# Altium PCB iiot_with_chip.PcbDoc
Units mil, origin at the board's own origin, x right, y up, seen from the top; angles counter-clockwise.
Board outline 4470 x 2640 mil, 2 copper layers (Top Layer, Bottom Layer); 95 components, 91 nets, 343 pads, 19 vias.
Unrouted connection lines stored in the file: 2.
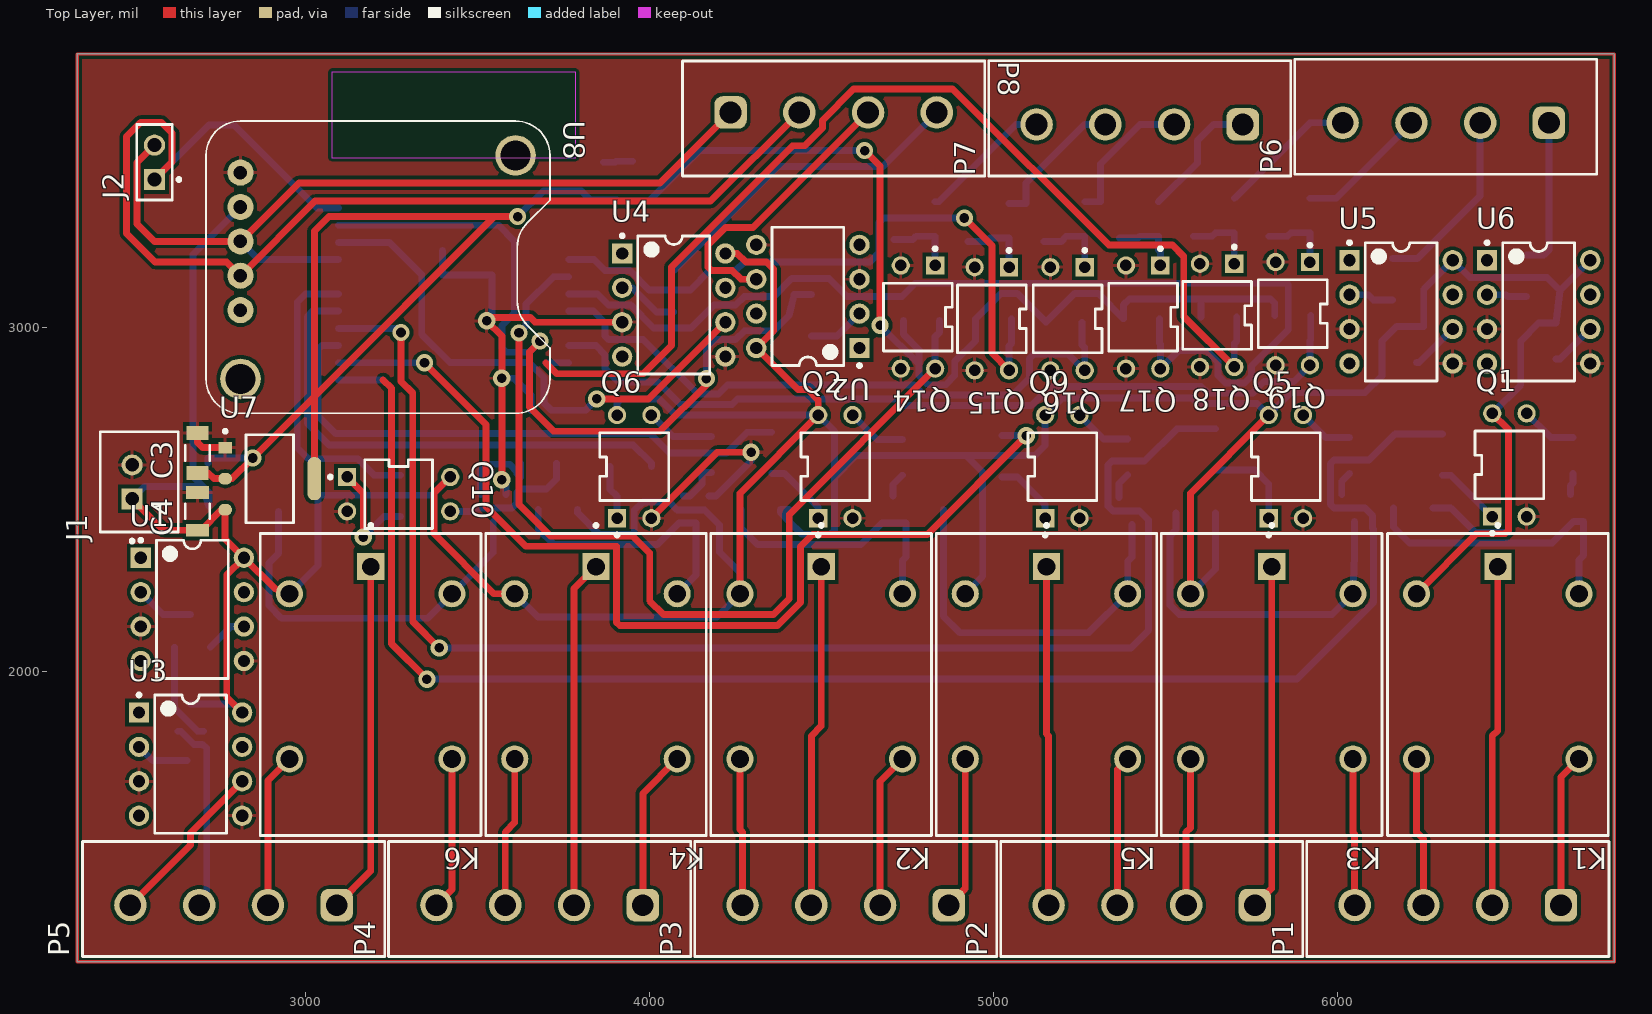
[diagram p0: Top Layer view]
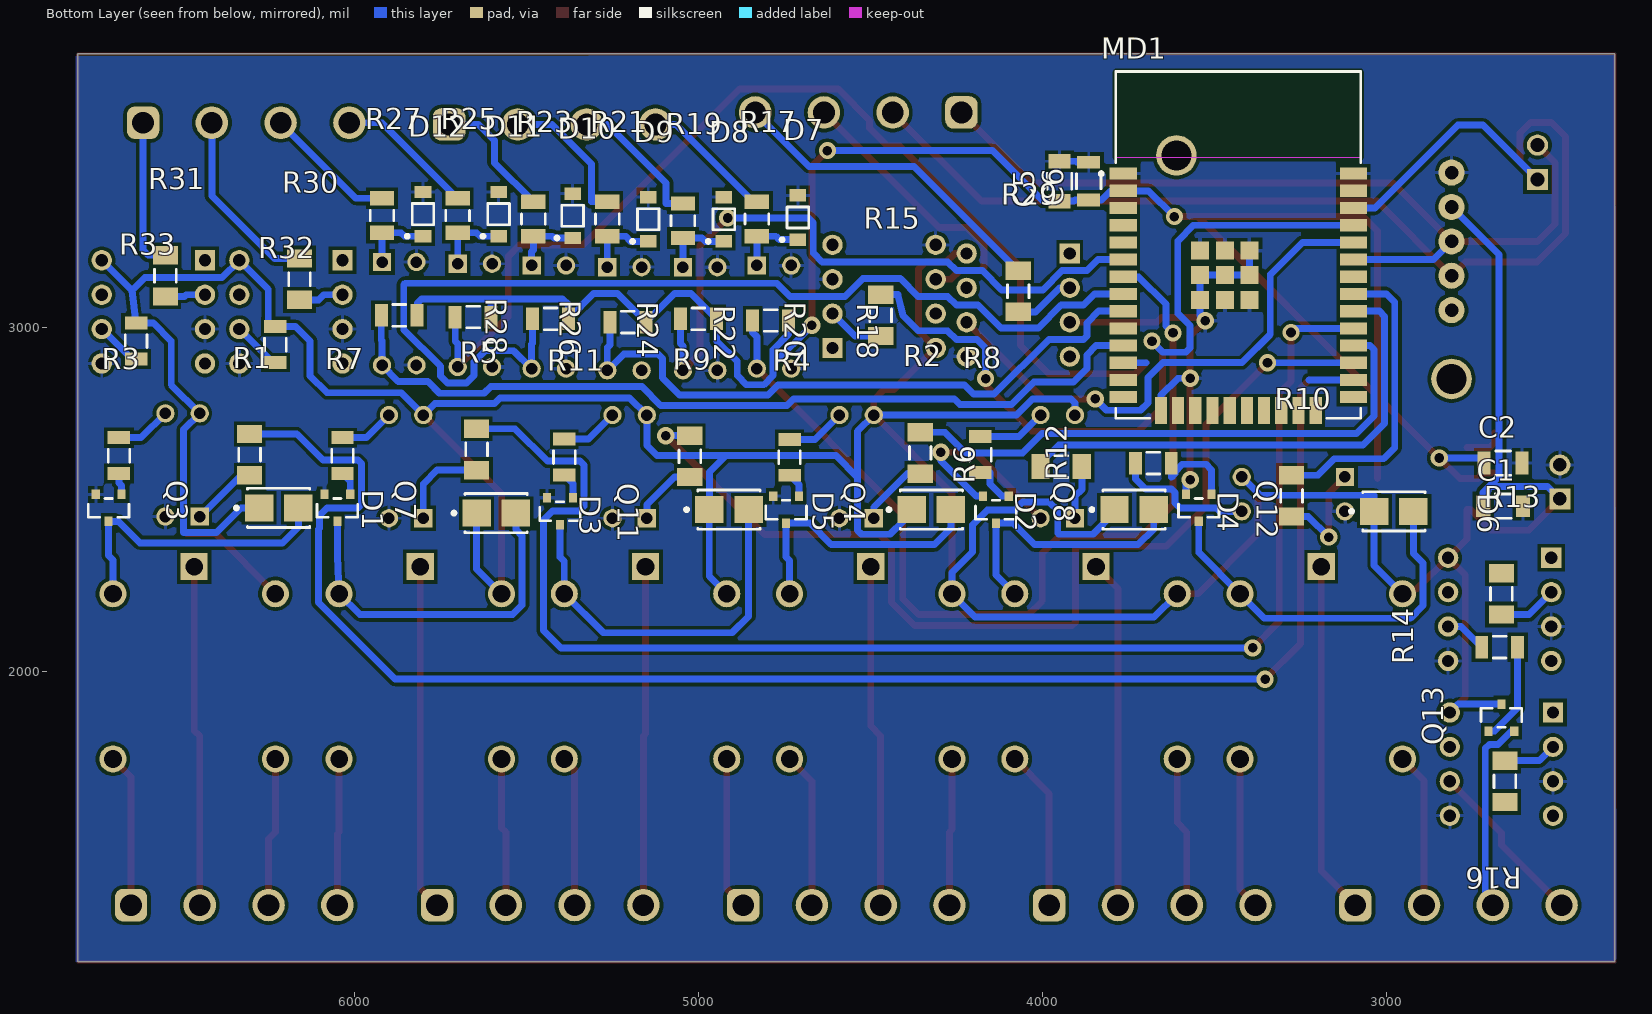
[diagram p1: Bottom Layer view, seen from below]
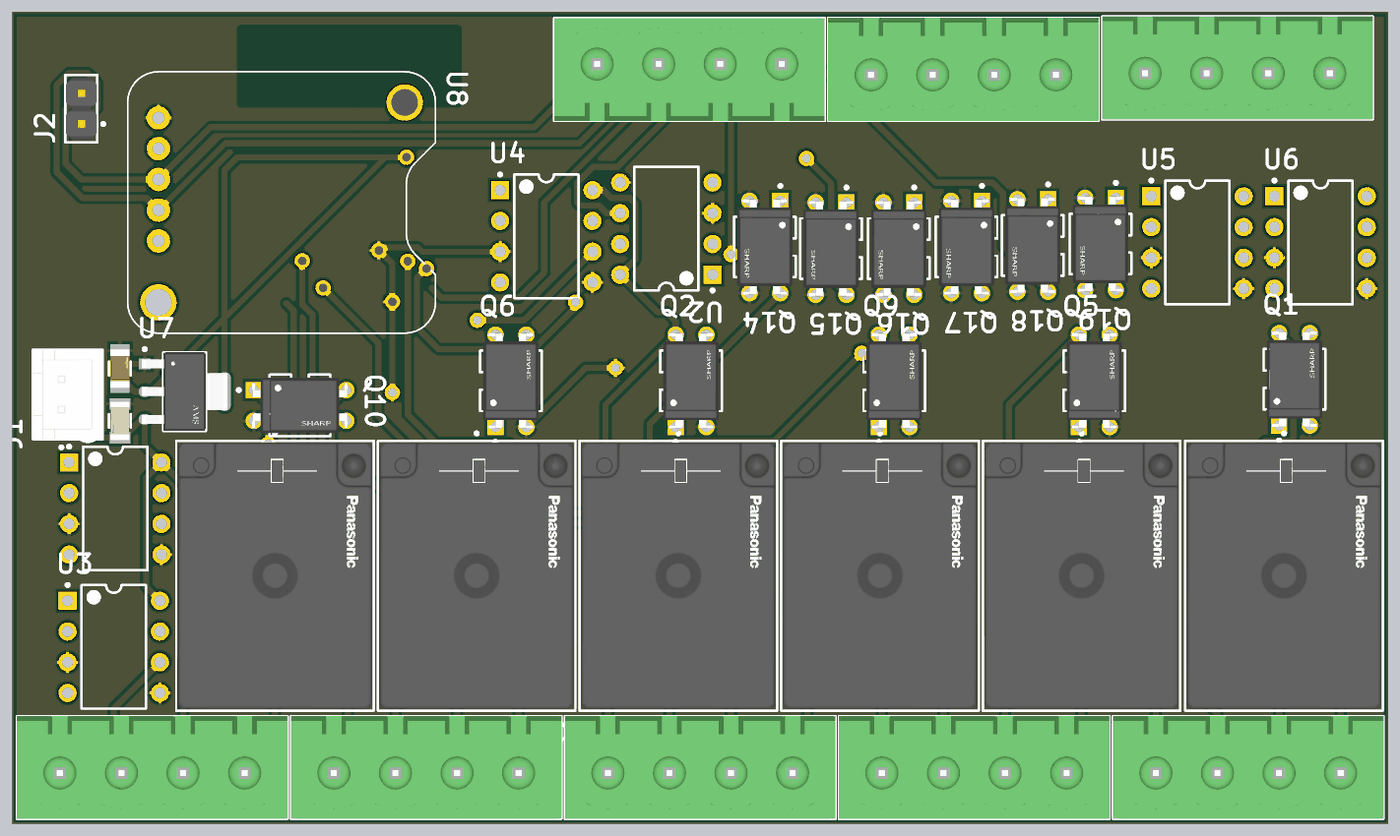
[diagram p2: 3D render of the assembled board from above, using the file's embedded part models]
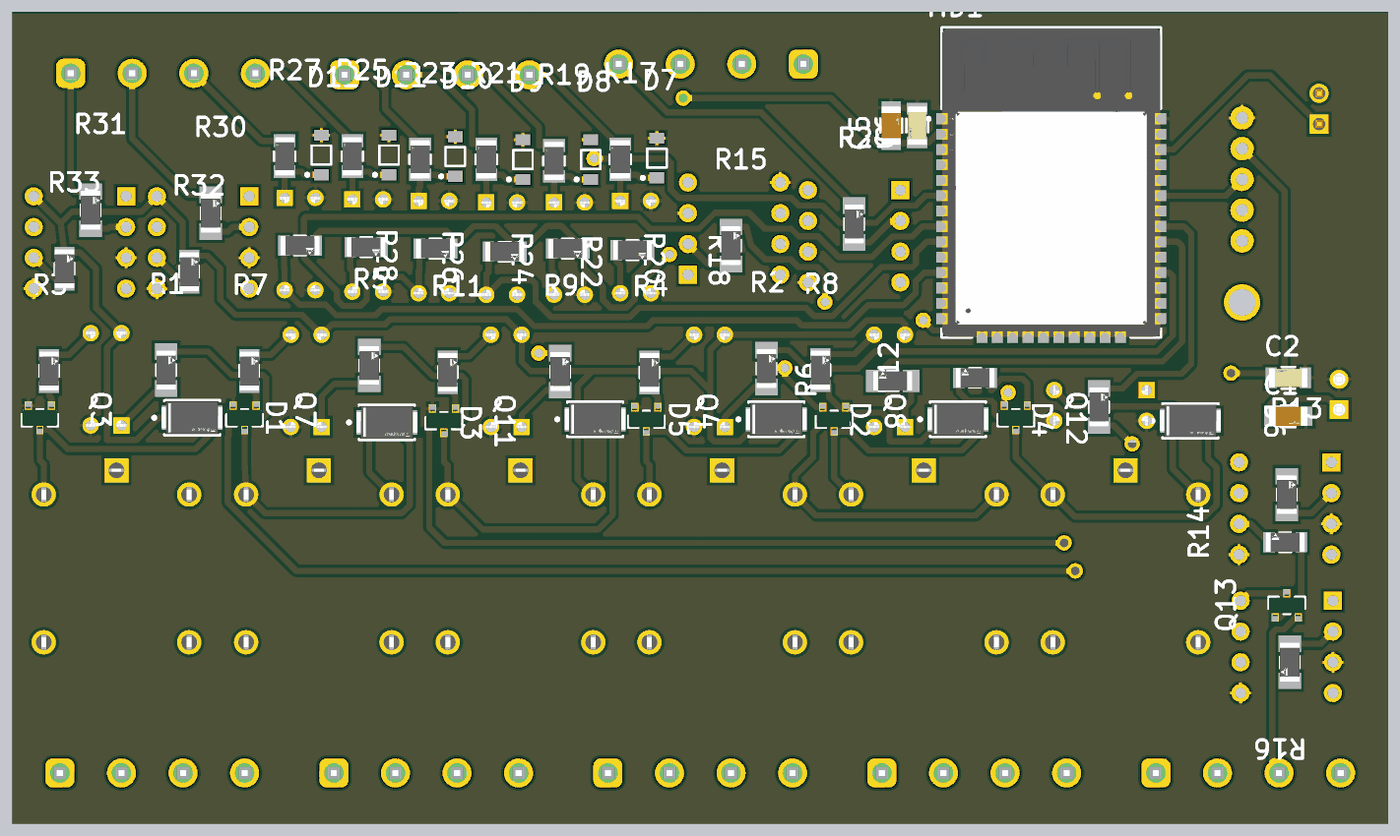
[diagram p3: 3D render of the assembled board from below, using the file's embedded part models]

## Layer stack, top to bottom
Top Solder: solder mask 0.4, Solder Resist, Dk 3.5
Top Layer: signal copper 1.4
Dielectric 1: dielectric 12.6, FR-4, Dk 4.8
Bottom Layer: signal copper 1.4
Bottom Solder: solder mask 0.4, Solder Resist, Dk 3.5

## Board outline
2335,1155 2335,3795 6805,3795 6805,1155

## Design rules (kind name [scope] priority, off if disabled: settings)
Clearance [All] p1: gap=10 ignorepadtopadclearanceinfootprint=FALSE
PolygonConnect [All] p1: connectstyle=Relief reliefconductorwidth=10 reliefentries=4 polygonreliefangle="90 Angle" airgapwidth=10
RoutingVias [All] p1: holewidth=28 width=50 viastyle="Through Hole" minholewidth=28 minwidth=50 maxholewidth=28 maxwidth=50
SolderMaskExpansion [All] p1: expansion=4 istentingtop=FALSE
SupplyNets "Schematic Supply Nets_2" [InNet('GND')] p1: voltage=0.000
SupplyNets "Schematic Supply Nets_1" [InNet('+3.3')] p2: voltage=0.000
SupplyNets "Schematic Supply Nets" [InNet('+5')] p3: voltage=0.000
Width [All] p1: maxlimit=30 minlimit=10 preferedwidth=20
30 further rules are at their usual default settings.

## Classes and differential pairs
component class outputs: D1 D2 D3 D4 D5 D6 K1 K2 K3 K4 K5 K6 P1 P2 P3 P4 P5 Q1 Q2 Q3 Q4 Q5 Q6 Q7 Q8 Q9 Q10 Q11 Q12 Q13 R1 R2 R3 R4 R5 R6 R7 R8 R9 R10 R11 R12 R13 R14 R15 R16 U1 U2 U3
component class inputs: D7 D8 D9 D10 D11 D12 P6 P7 Q14 Q15 Q16 Q17 Q18 Q19 R17 R18 R19 R20 R21 R22 R23 R24 R25 R26 R27 R28 R29 R30 R31 R32 R33 U4 U5 U6
component class chip: C1 C2 C3 C4 C5 C6 J1 J2 MD1 P8 U7 U8

## Components (designator, comment, footprint, x,y, rotation, side; value= is the part's Value field where it differs from the comment)
C1 "GRM31CR71E106KA12L" FP-GRM31C-0_2-e0_3_0_8-MFG 2660,2480 r180 bottom
C2 "C1206C104K2RACTU" FP-C1206C-EB-MFG 2660,2605 r180 bottom value="0.10 μF"
C3 "GRM31CR71E106KA12L" FP-GRM31C-0_2-e0_3_0_8-MFG 2685,2635 r90 top
C4 "C1206C104K2RACTU" FP-C1206C-EB-MFG 2685,2465 r90 top value="0.10 μF"
C5 "GRM31CR71E106KA12L" FP-GRM31C-0_2-e0_3_0_8-MFG 3950,3425 r90 bottom
C6 "C1206C104K2RACTU" FP-C1206C-EB-MFG 3865,3425.12 r90 bottom value="0.10 μF"
D1 "1N4007 SMD" FP-1N4007_SMD-IPC_C 6220.51,2475 r180 bottom
D2 "1N4007 SMD" FP-1N4007_SMD-IPC_C 4322.91,2470 r180 bottom
D3 "1N4007 SMD" FP-1N4007_SMD-IPC_C 5587.91,2460 r180 bottom
D4 "1N4007 SMD" FP-1N4007_SMD-IPC_C 3732.91,2470 r180 bottom
D5 "1N4007 SMD" FP-1N4007_SMD-IPC_C 4911.34,2470 r180 bottom
D6 "1N4007 SMD" FP-1N4007_SMD-IPC_C 2977.91,2465 r180 bottom
D7 "MMSZ4683T1G" ONSC-SOD-123-2-425-04_V 4710.91,3319.37 r90 bottom
D8 "MMSZ4683T1G" ONSC-SOD-123-2-425-04_V 4925.91,3314.37 r90 bottom
D9 "MMSZ4683T1G" ONSC-SOD-123-2-425-04_V 5145.91,3314.37 r90 bottom
D10 "MMSZ4683T1G" ONSC-SOD-123-2-425-04_V 5365.91,3324.37 r90 bottom
D11 "MMSZ4683T1G" ONSC-SOD-123-2-425-04_V 5580.91,3329.37 r90 bottom
D12 "MMSZ4683T1G" ONSC-SOD-123-2-425-04_V 5800.91,3329.37 r90 bottom
J1 "B2B-XH-A(LF)(SN)" FP-B2B-XH-A_LF_SN-MFG 2515.67,2550.79 r90 top
J2 "M20-9990245" FP-M20-9990245-MFG 2560,3480 r90 top
K1 "JS1-B-5V-F" FP-JS1-B-5V-F-MFG 6466.22,1961.54 r270 top
K2 "JS1-B-5V-F" FP-JS1-B-5V-F-MFG 4498.78,1961.54 r270 top
K3 "JS1-B-5V-F" FP-JS1-B-5V-F-MFG 5808.78,1961.54 r270 top
K4 "JS1-B-5V-F" FP-JS1-B-5V-F-MFG 3843.78,1961.54 r270 top
K5 "JS1-B-5V-F" FP-JS1-B-5V-F-MFG 5153.78,1961.54 r270 top
K6 "JS1-B-5V-F" FP-JS1-B-5V-F-MFG 3188.78,1961.54 r270 top
MD1 "ESP32-WROOM-32D (4MB)" FP-ESP32-WROOM-32D_4MB-MFG 3430,3240 r180 bottom
P1 "691311500104" 691311500104 6350,1337.72 r180 top
P2 "691311500104" 691311500104 5460,1337.72 r180 top
P3 "691311500104" 691311500104 4570,1337.72 r180 top
P4 "691311500104" 691311500104 3680,1337.72 r180 top
P5 "691311500104" 691311500104 2790,1337.72 r180 top
P6 "691311500104" 691311500104 6315,3612.72 r180 top
P7 "691311500104" 691311500104 5425,3607.72 r180 top
P8 "691311500104" 691311500104 4535,3607.28 r0 top
Q1 "PC817X1J000F" FP-PC817X1J000F-MFG 6500,2600 r90 top
Q2 "PC817X1J000F" FP-PC817X1J000F-MFG 4540,2595 r90 top
Q3 "BC817-40,215" FP-SOT23-MFG 6715,2475 r270 bottom
Q4 "BC817-40,215" FP-SOT23-MFG 4745,2470 r270 bottom
Q5 "PC817X1J000F" FP-PC817X1J000F-MFG 5850,2595 r90 top
Q6 "PC817X1J000F" FP-PC817X1J000F-MFG 3955,2595 r90 top
Q7 "BC817-40,215" FP-SOT23-MFG 6050,2475 r270 bottom
Q8 "BC817-40,215" FP-SOT23-MFG 4135,2470 r270 bottom
Q9 "PC817X1J000F" FP-PC817X1J000F-MFG 5200,2595 r90 top
Q10 "PC817X1J000F" FP-PC817X1J000F-MFG 3270,2515 r0 top
Q11 "BC817-40,215" FP-SOT23-MFG 5402.6,2465.63 r270 bottom
Q12 "BC817-40,215" FP-SOT23-MFG 3545,2475 r270 bottom
Q13 "BC817-40,215" FP-SOT23-MFG 2665,1865 r90 bottom
Q14 "PC817X1J000F" FP-PC817X1J000F-MFG 4780,3030 r270 top
Q15 "PC817X1J000F" FP-PC817X1J000F-MFG 4995,3025 r270 top
Q16 "PC817X1J000F" FP-PC817X1J000F-MFG 5215,3025 r270 top
Q17 "PC817X1J000F" FP-PC817X1J000F-MFG 5435,3030 r270 top
Q18 "PC817X1J000F" FP-PC817X1J000F-MFG 5650,3035 r270 top
Q19 "PC817X1J000F" FP-PC817X1J000F-MFG 5870,3040 r270 top
R1 "CRCW1206330RFKEB" FP-CRCW1206-e3-IPC_A 6305,2629.92 r90 bottom
R2 "CRCW1206330RFKEB" FP-CRCW1206-e3-IPC_A 4355,2634.92 r90 bottom
R3 "CRCW120610K0FKEA" FP-CRCW1206-e3-IPC_C 6685,2627.21 r90 bottom
R4 "CRCW120610K0FKEA" FP-CRCW1206-e3-IPC_C 4735,2622.21 r90 bottom
R5 "CRCW1206330RFKEB" FP-CRCW1206-e3-IPC_A 5645,2645.08 r90 bottom
R6 "CRCW1206330RFKEB" FP-CRCW1206-e3-IPC_A 3945,2595 r0 bottom
R7 "CRCW120610K0FKEA" FP-CRCW1206-e3-IPC_C 6035,2627.21 r90 bottom
R8 "CRCW120610K0FKEA" FP-CRCW1206-e3-IPC_C 4180,2630 r90 bottom
R9 "CRCW1206330RFKEB" FP-CRCW1206-e3-IPC_A 5025,2625 r90 bottom
R10 "CRCW1206330RFKEB" FP-CRCW1206-e3-IPC_A 3275,2509.92 r90 bottom
R11 "CRCW120610K0FKEA" FP-CRCW1206-e3-IPC_C 5390,2622.79 r90 bottom
R12 "CRCW120610K0FKEA" FP-CRCW1206-e3-IPC_C 3677.21,2605 r0 bottom
R13 "CRCW1206330RFKEB" FP-CRCW1206-e3-IPC_A 2665,2225 r90 bottom
R14 "CRCW120610K0FKEA" FP-CRCW1206-e3-IPC_C 2670,2070 r0 bottom
R15 "CRCW1206330RFKEB" FP-CRCW1206-e3-IPC_A 4470,3035 r90 bottom
R16 "CRCW1206330RFKEB" FP-CRCW1206-e3-IPC_A 2655,1680 r270 bottom
R17 "CRCW12061K00FKEAHP" FP-CRCW1206-HPe3-MFG 4830,3315.2 r90 bottom value=1kΩ
R18 "CRCW120610K0FKEA" FP-CRCW1206-e3-IPC_C 4790,3020 r180 bottom
R19 "CRCW12061K00FKEAHP" FP-CRCW1206-HPe3-MFG 5045,3310.2 r90 bottom value=1kΩ
R20 "CRCW120610K0FKEA" FP-CRCW1206-e3-IPC_C 5000,3025 r180 bottom
R21 "CRCW12061K00FKEAHP" FP-CRCW1206-HPe3-MFG 5265,3315.2 r90 bottom value=1kΩ
R22 "CRCW120610K0FKEA" FP-CRCW1206-e3-IPC_C 5205,3015 r180 bottom
R23 "CRCW12061K00FKEAHP" FP-CRCW1206-HPe3-MFG 5480,3315.2 r90 bottom value=1kΩ
R24 "CRCW120610K0FKEA" FP-CRCW1206-e3-IPC_C 5430,3025 r180 bottom
R25 "CRCW12061K00FKEAHP" FP-CRCW1206-HPe3-MFG 5700,3325.2 r90 bottom value=1kΩ
R26 "CRCW120610K0FKEA" FP-CRCW1206-e3-IPC_C 5655,3030 r180 bottom
R27 "CRCW12061K00FKEAHP" FP-CRCW1206-HPe3-MFG 5920,3325.2 r90 bottom value=1kΩ
R28 "CRCW120610K0FKEA" FP-CRCW1206-e3-IPC_C 5870,3035 r180 bottom
R29 "CRCW1206330RFKEB" FP-CRCW1206-e3-IPC_A 4070,3105 r90 bottom
R30 "CRCW1206330RFKEB" FP-CRCW1206-e3-IPC_A 6160,3140 r90 bottom
R31 "CRCW1206330RFKEB" FP-CRCW1206-e3-IPC_A 6550,3150 r90 bottom
R32 "CRCW120610K0FKEA" FP-CRCW1206-e3-IPC_C 6230,2950 r90 bottom
R33 "CRCW120610K0FKEA" FP-CRCW1206-e3-IPC_C 6635,2960 r90 bottom
U1 "6N137" VISH-DIP-8_A 2670,2180 r0 top
U2 "6N137" VISH-DIP-8_A 4460,3090 r180 top
U3 "6N137" VISH-DIP-8_A 2665,1730 r0 top
U4 "6N137" VISH-DIP-8_A 4070,3065 r0 top
U5 "6N137" VISH-DIP-8_A 6185,3045 r0 top
U6 "6N137" VISH-DIP-8_A 6585,3045 r0 top
U7 "AMS1117-3.3" FP-AMS1117-IPC_C 2895.28,2560 r0 top
U8 "3296" MODULE_3296 3210,3175 r270 top

## Footprints (in the part's own frame and the unit in brackets; to place one, negate y for a bottom-side part, rotate by r counter-clockwise, add the part's x,y. Pads: shape width x height; smd on the part's side, far side on the other; paste and mask are expansions set on the pad)
691311500104 [mm] "5,08mm - PCB Headers - Vertical - Closed ends -04p"
  rrect50% 2.4x2.4 hole 1.6: 1(-7.62,0.45)
  round 2.4 hole 1.6: 2(-2.54,0.45) 3(2.54,0.45) 4(7.62,0.45)
  silkscreen extent -11.16,-4.25 11.16,4.25, body extent -11.16,-4.25 11.16,4.25, height 12.05
FP-1N4007_SMD-IPC_C [mm]
  rect 2.1x2 smd paste+0 mask+0: 1(-1.45,0) 2(1.45,0)
  silkscreen extent -3.25,-1.45 2.3,1.45, body extent -2.52,-1.35 2.52,1.35, height 2.62
FP-AMS1117-IPC_C [mm]
  rect 1.004x0.872 smd paste+0 mask+0: 1(-3.295,2.29)
  rrect100% 1.004x0.872 smd paste+0 mask+0: 2(-3.295,0) 3(-3.295,-2.29)
  rrect87% 1.004x3.182 smd paste+0 mask+0: 4(3.295,0)
  silkscreen extent -3.42,-3.25 1.75,3.62, body extent -3.9,-3.35 3.9,3.35, height 0.25
FP-B2B-XH-A_LF_SN-MFG [mm]
  rect 1.55x1.55 hole 1 paste-2539.97 mask+0: 1(-1.25,0.525)
  round 1.55 hole 1 paste-2539.97 mask+0: 2(1.25,0.525)
  silkscreen extent -4.5,-2.87 3.7,2.88, body extent -3.8,-2.98 3.8,2.98, height 0.25
FP-C1206C-EB-MFG [mm]
  rect 0.95x1.7 smd paste+0 mask+0: 1(-1.4,0) 2(1.4,0)
  silkscreen extent -0.55,-0.9 0.55,0.9, body extent -1.6,-0.8 1.6,0.8, height 0.88
FP-CRCW1206-e3-IPC_A [mil]
  rect 53.39x73.16 smd paste+0 mask+0: 1(-60.08,0) 2(60.08,0)
  silkscreen extent -19,-31 19,31, body extent -63,-31 63,31, height 24
FP-CRCW1206-e3-IPC_C [mil]
  rect 37.64x65.28 smd paste+0 mask+0: 1(-52.21,0) 2(52.21,0)
  silkscreen extent -19,-31 19,31, body extent -63,-31 63,31, height 24
FP-CRCW1206-HPe3-MFG [mm]
  rect 1.05x1.8 smd paste+0 mask+0: 1(-1.275,0) 2(1.275,0)
  silkscreen extent -0.37,-0.87 0.37,0.87, body extent -1.6,-0.8 1.6,0.8, height 0.65
FP-ESP32-WROOM-32D_4MB-MFG [mm]
  rect 2x0.9 smd paste+0 mask+0: 1(-8.5,5.26) 2(-8.5,3.99) 3(-8.5,2.72) 4(-8.5,1.45) 5(-8.5,0.18) 6(-8.5,-1.09) 7(-8.5,-2.36) 8(-8.5,-3.63) 9(-8.5,-4.9) 10(-8.5,-6.17) 11(-8.5,-7.44) 12(-8.5,-8.71) 13(-8.5,-9.98) 14(-8.5,-11.25) 25(8.5,-11.25) 26(8.5,-9.98) 27(8.5,-8.71) 28(8.5,-7.44) 29(8.5,-6.17) 30(8.5,-4.9) 31(8.5,-3.63) 32(8.5,-2.36) 33(8.5,-1.09) 34(8.5,0.18) 35(8.5,1.45) 36(8.5,2.72) 37(8.5,3.99) 38(8.5,5.26)
  rect 0.9x2 smd paste+0 mask+0: 15(-5.715,-12.25) 16(-4.445,-12.25) 17(-3.175,-12.25) 18(-1.905,-12.25) 19(-0.635,-12.25) 20(0.635,-12.25) 21(1.905,-12.25) 22(3.175,-12.25) 23(4.445,-12.25) 24(5.715,-12.25)
  rect 1.33x1.33 smd paste+0 mask+0: 39(-2.835,-4.075) 39(-2.835,-2.24) 39(-2.835,-0.405) 39(-1,-4.075) 39(-1,-2.24) 39(-1,-0.405) 39(0.835,-4.075) 39(0.835,-2.24) 39(0.835,-0.405)
  Keep-Out Layer region: -9,12.75 9,12.75 9,6.45 -9,6.45
  Keep-Out Layer region: -9,12.75 9,12.75 9,6.45 -9,6.45
  silkscreen extent -10.25,-12.8 9.05,12.8, body extent -9,-12.75 9,12.75, height 3.2
FP-GRM31C-0_2-e0_3_0_8-MFG [mm]
  rect 1.05x1.6 smd paste+0 mask+0: 1(-1.475,0) 2(1.475,0)
  silkscreen extent -0.58,-0.9 0.58,0.9, body extent -1.6,-0.8 1.6,0.8, height 1.8
FP-JS1-B-5V-F-MFG [mm]
  rect 2x2 hole 1.3 paste-2539.97 mask+0: 1(-8.7,0)
  round 2 hole 1.3 paste-2539.97 mask+0: 2(-6.7,-6) 3(5.5,-6) 4(5.5,6) 5(-6.7,6)
  silkscreen extent -11.87,-8.15 11.15,8.15, body extent -11.25,-8.25 11.25,8.25, height 0.25
FP-M20-9990245-MFG [mm]
  rect 1.57x1.57 hole 1.02 paste-2539.97 mask+0: 1(-1.27,0)
  round 1.57 hole 1.02 paste-2539.97 mask+0: 2(1.27,0)
  silkscreen extent -2.79,-1.92 2.79,1.32, body extent -2.89,-1.42 2.89,1.42, height 0.25
FP-PC817X1J000F-MFG [mm]
  rect 1.35x1.35 hole 0.85 paste-2539.97 mask+0: 1(-3.81,1.27)
  round 1.35 hole 0.85 paste-2539.97 mask+0: 2(-3.81,-1.27) 3(3.81,-1.27) 4(3.81,1.27)
  silkscreen extent -5.17,-2.54 2.5,2.54, body extent -4.58,-2.64 4.58,2.64, height 0.25
FP-SOT23-MFG [mm]
  rect 0.7x0.6 smd paste-1000 mask+0: 1(-1,0.95) 2(-1,-0.95) 3(1,0)
  silkscreen extent -0.7,-1.5 0.7,1.5, body extent -1.2,-1.45 1.2,1.45, height 1.1
MODULE_3296 [mm]
  round 1.93 hole 1: 1(3.175,-10.16) 2(0.635,-10.16) 3(-1.905,-10.16) 4(-4.445,-10.16) 5(-6.985,-10.16)
  round 3 hole 2.2: SH1(8.255,-10.16) SH2(-8.255,10.16)
  silkscreen extent -10.8,-12.7 10.8,12.7
ONSC-SOD-123-2-425-04_V [mm] "SOD, 2-Leads, Body 2.69x1.6mm"
  rect 0.91x1.22 smd: 1(-1.635,0) 2(1.635,0)
  silkscreen extent -1.76,-0.8 0.78,1.29, body extent -1.35,-0.8 1.35,0.8, height 1.35
VISH-DIP-8_A [mm] "DIP, 8-Leads, Body 10.16x6.85mm, Pitch 2.54mm"
  rect 1.5x1.5 hole 0.9: 1(-3.81,3.81)
  round 1.5 hole 0.9: 2(-3.81,1.27) 3(-3.81,-1.27) 4(-3.81,-3.81) 5(3.81,-3.81) 6(3.81,-1.27) 7(3.81,1.27) 8(3.81,3.81)
  silkscreen extent -3.93,-5.1 2.65,5.23, body extent -3.95,-5.07 3.95,5.07, height 4.54
